# KiCad board poly_kb.kicad_pcb (continued)
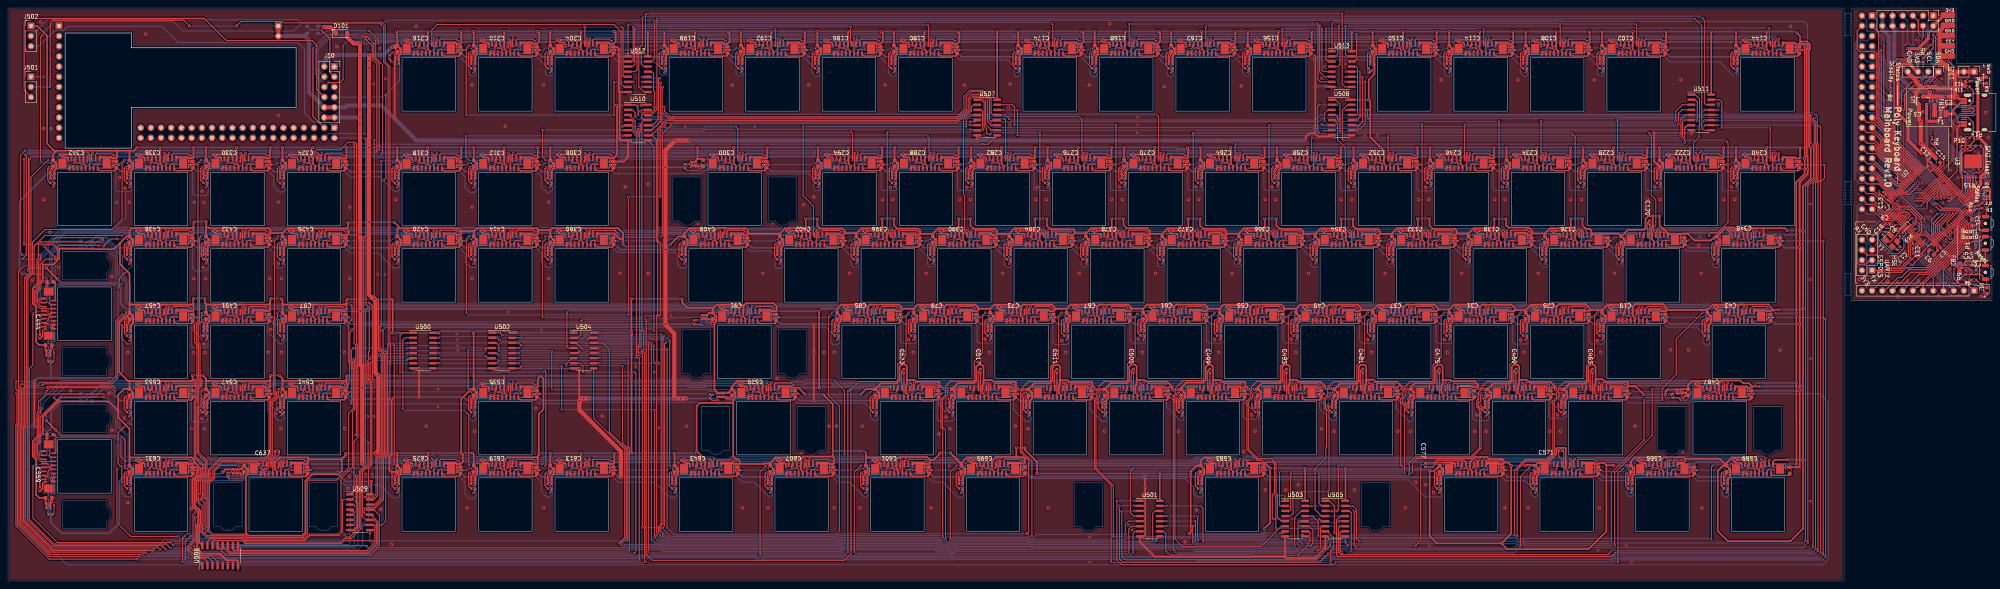
[diagram p0: board, top side]
## Routing (per net, layer and track width the routed paths; a pad name or vN(x,y) marks a point on that pad's centre or on a via; arc(x,y) is an arc through that point) (continued)
+5V: length 3014.4
  Top w0.4: v1(202.01,48.13) 201.98,48.16 v1(201.98,67.21) ; v1(447.45,133.22) 447.4,133.17 447.4,101.55 445.29,99.44 v1(445.29,86.31) 445.29,85.7 445.31,85.67 v1(445.31,66.73) v1(445.31,49.38) 445.31,40.44 445.34,40.41 v1(445.34,29.18) ; v1(5.31,105.31) 5.16,105.16 5.16,77.62 v1(5.05,77.52) ; v1(9.52,78.09) 12.3,75.31 v1(12.36,75.31) ; v1(9.52,40) v1(11.91,37.62)
  Top w1: v1(478.54,121.96) 478.56,121.95 478.56,120.8 ; D101.2 84.46,135.58 86,134.04 v1(87.64,134.04) v1(87.64,115.69) v1(87.64,86.44) 87.64,85.48 87.76,85.36 87.76,53.87 88.18,53.45 v1(88.18,29.21) ; U1.3 476.82,120.8 478.56,120.8 ; J10.11 J10.12 ; 481.64,120.8 FB1.1 478.56,120.8
  Bottom w0.4: LED_108.1 439.14,134.19 438.42,134.19 437.98,134.64 431.73,134.64 431.52,134.42 429.03,134.42 413.33,134.42 412.83,133.93 408.33,133.93 407.74,133.35 LED_101.1 ; LED_108.1 441.08,133.35 441.66,133.93 446.74,133.93 v1(447.45,133.22) ; LED_108.1 440.15,133.51 ; LED_107.1 354.43,85.89 ; LED_107.1 355.35,85.72 355.94,86.31 366.22,86.31 366.42,86.51 368.38,86.51 368.45,86.58 371.57,86.58 372.43,85.72 LED_106.1 ; LED_107.1 353.06,85.72 352.17,86.61 341.7,86.61 341.4,86.31 336.89,86.31 336.3,85.72 LED_143.1 ; LED_101.1 406.81,133.51 ; LED_101.1 405.8,134.19 405.09,134.19 404.64,134.64 398.39,134.64 398.18,134.42 394.28,134.42 393.78,133.93 389.28,133.93 388.69,133.35 LED_102.1 ; LED_102.1 387.76,133.51 ; LED_102.1 386.75,134.19 386.04,134.19 385.59,134.64 379.34,134.64 379.13,134.42 375.23,134.42 374.73,133.93 370.23,133.93 369.64,133.35 LED_103.1 ; LED_103.1 368.71,133.51 ; LED_103.1 367.7,134.19 366.99,134.19 366.54,134.64 360.29,134.64 360.08,134.42 356.18,134.42 355.68,133.93 351.18,133.93 350.59,133.35 LED_109.1 ; LED_104.1 411.58,85.89 ; LED_104.1 412.5,85.72 413.09,86.31 417.6,86.31 418.09,86.8 424.98,86.8 ; LED_104.1 410.42,85.72 409.68,86.46 398.7,86.46 398.55,86.31 394.04,86.31 393.45,85.72 LED_105.1 ; LED_106.1 373.48,85.89 ; LED_106.1 374.4,85.72 374.9,86.22 378.2,86.22 378.29,86.31 379.5,86.31 379.8,86.61 390.53,86.61 391.42,85.72 LED_105.1 ; LED_105.1 392.53,85.89 ; LED_109.1 349.66,133.51 ; LED_109.1 348.65,134.19 347.94,134.19 347.49,134.64 341.24,134.64 341.03,134.42 325.06,134.42 324.57,133.93 320.06,133.93 319.48,133.35 LED_110.1 ; LED_110.1 318.55,133.51 ; LED_110.1 317.51,133.35 316.43,134.42 306.01,134.42 305.52,133.93 301.01,133.93 300.43,133.35 LED_111.1 ; LED_111.1 299.5,133.51 ; LED_111.1 298.03,133.35 296.95,134.42 286.96,134.42 286.47,133.93 281.96,133.93 281.38,133.35 LED_112.1 ; LED_112.1 280.45,133.51 ; LED_112.1 279.08,133.35 278,134.42 267.91,134.42 267.42,133.93 262.91,133.93 262.33,133.35 LED_113.1 ; LED_113.1 261.4,133.51 ; LED_113.1 259.91,133.35 258.83,134.42 251.47,134.42 ; LED_114.1 230.44,133.51 ; LED_114.1 231.37,133.35 231.95,133.93 236.46,133.93 236.96,134.42 251.47,134.42 ; LED_114.1 228.99,133.35 227.92,134.42 217.91,134.42 217.41,133.93 212.9,133.93 212.32,133.35 LED_115.1 ; LED_115.1 211.39,133.51 ; LED_115.1 210.02,133.35 208.94,134.42 198.86,134.42 198.36,133.93 193.85,133.93 193.27,133.35 LED_116.1 ; LED_116.1 192.34,133.51 ; LED_116.1 190.84,133.35 189.62,134.57 179.95,134.57 179.31,133.93 174.8,133.93 174.22,133.35 LED_117.1 ; LED_117.1 173.29,133.51 ; LED_117.1 172.41,133.35 171.12,134.64 166.48,134.64 166.41,134.57 165.06,134.57 164.92,134.42 151.39,134.42 150.9,133.93 146.39,133.93 145.8,133.35 LED_118.1 ; LED_118.1 144.88,133.51 ; LED_118.1 143.86,134.19 143.15,134.19 142.7,134.64 136.46,134.64 136.24,134.42 133.76,134.42 133.76,134.43 132.34,134.43 131.85,133.93 127.34,133.93 126.75,133.35 LED_119.1 ; LED_120.1 106.78,133.51 ; LED_120.1 107.7,133.35 108.29,133.93 112.8,133.93 113.29,134.42 114.71,134.42 114.71,134.43 117.19,134.43 117.41,134.64 123.65,134.64 124.1,134.19 124.81,134.19 LED_119.1 ; LED_120.1 105.73,133.35 104.44,134.64 92.56,134.64 92.56,134.65 91.95,134.65 91.34,134.04 v1(87.64,134.04) 87.71,134.11 87.73,134.11 ; LED_121.1 421.1,104.94 ; LED_121.1 422.03,104.77 422.61,105.36 427.12,105.36 427.61,105.85 431.52,105.85 431.73,106.06 437.98,106.06 438.42,105.62 439.14,105.62 LED_124.1 ; LED_121.1 420.06,104.77 418.77,106.06 412.68,106.06 412.47,105.85 408.56,105.85 408.07,105.36 403.56,105.36 402.98,104.77 LED_122.1 ; LED_122.1 402.05,104.94 ; LED_122.1 401.04,105.62 400.32,105.62 399.88,106.06 393.63,106.06 393.42,105.85 389.51,105.85 389.02,105.36 384.51,105.36 383.93,104.77 LED_123.1 ; LED_123.1 383,104.94 ; LED_123.1 381.99,105.62 381.27,105.62 380.83,106.06 374.58,106.06 374.37,105.85 370.46,105.85 369.97,105.36 365.46,105.36 364.88,104.77 LED_125.1 ; LED_124.1 440.15,104.94 ; LED_124.1 441.08,104.77 441.66,105.36 447.42,105.36 v1(447.4,105.38) ; LED_125.1 363.95,104.94 ; LED_125.1 362.94,105.62 362.22,105.62 361.78,106.06 355.53,106.06 355.32,105.85 353.03,105.85 ; LED_126.1 344.9,104.94 ; LED_126.1 343.89,105.62 343.17,105.62 342.73,106.06 336.48,106.06 336.27,105.85 334.02,105.85 ; LED_126.1 345.83,104.77 346.41,105.36 350.92,105.36 351.41,105.85 353.03,105.85 ; LED_127.1 325.85,104.94 ; LED_127.1 326.78,104.77 327.36,105.36 331.87,105.36 332.36,105.85 334.02,105.85 ; LED_127.1 324.84,105.62 324.12,105.62 323.68,106.06 317.43,106.06 317.22,105.85 313.31,105.85 312.82,105.36 308.31,105.36 307.73,104.77 LED_128.1 ; LED_128.1 306.8,104.94 ; LED_128.1 305.79,105.62 305.07,105.62 304.63,106.06 298.38,106.06 298.17,105.85 294.26,105.85 293.77,105.36 289.26,105.36 288.68,104.77 LED_129.1 ; LED_129.1 287.75,104.94 ; LED_129.1 286.74,105.62 286.02,105.62 285.58,106.06 279.33,106.06 279.12,105.85 275.21,105.85 274.72,105.36 270.21,105.36 269.63,104.77 LED_130.1 ; LED_130.1 268.7,104.94 ; LED_130.1 267.69,105.62 266.97,105.62 266.53,106.06 260.28,106.06 260.07,105.85 256.16,105.85 255.67,105.36 251.16,105.36 250.58,104.77 LED_131.1 ; LED_131.1 249.65,104.94 ; LED_131.1 248.64,105.62 247.92,105.62 247.48,106.06 241.23,106.06 241.02,105.85 237.11,105.85 236.62,105.36 232.11,105.36 231.53,104.77 LED_132.1 ; LED_132.1 230.6,104.94 ; LED_132.1 229.59,105.62 228.87,105.62 228.43,106.06 222.18,106.06 221.97,105.85 218.06,105.85 217.57,105.36 213.06,105.36 212.48,104.77 LED_133.1 ; LED_133.1 211.55,104.94 ; LED_133.1 210.54,105.62 209.82,105.62 209.38,106.06 203.13,106.06 202.92,105.85 201.99,105.85 ; LED_134.1 182.98,104.94 ; LED_134.1 183.9,104.77 184.49,105.36 189,105.36 189.49,105.85 201.99,105.85 ; LED_134.1 181.96,105.62 181.25,105.62 180.8,106.06 173.13,106.06 172.92,105.85 172.08,105.85 ; LED_135.1 144.88,104.94 ; LED_135.1 143.86,105.62 143.15,105.62 142.7,106.06 136.46,106.06 136.24,105.85 133.76,105.85 133.71,105.8 132.34,105.8 131.85,105.31 127.34,105.31 126.75,104.72 LED_136.1 ; LED_135.1 145.8,104.77 146.39,105.36 150.9,105.36 151.39,105.85 172.08,105.85 ; LED_136.1 125.83,104.89 ; LED_136.1 124.81,105.57 124.1,105.57 123.65,106.01 117.41,106.01 117.19,105.8 113.29,105.8 112.8,105.31 108.29,105.31 107.7,104.72 LED_137.1 ; LED_137.1 106.78,104.89 ; LED_137.1 105.76,105.57 105.05,105.57 104.6,106.01 98.36,106.01 98.14,105.8 93.47,105.8 93.32,105.65 92.71,105.65 92.56,105.8 84.71,105.8 84.22,105.31 79.71,105.31 79.13,104.72 LED_138.1 ; LED_138.1 78.2,104.89 ; LED_138.1 77.19,105.57 76.47,105.57 76.03,106.01 69.78,106.01 69.57,105.8 65.62,105.8 65.17,105.36 60.66,105.36 60.08,104.77 LED_139.1 ; LED_139.1 59.15,104.94 ; LED_139.1 58.14,105.62 57.42,105.62 56.98,106.06 50.73,106.06 50.52,105.85 46.61,105.85 46.12,105.36 41.61,105.36 41.03,104.77 LED_140.1 ; LED_140.1 40.1,104.94 ; LED_140.1 39.09,105.62 38.37,105.62 37.93,106.06 31.68,106.06 31.47,105.85 27.56,105.85 27.07,105.36 22.56,105.36 21.98,104.77 LED_141.1 ; LED_141.1 21.05,104.94 ; LED_141.1 20.04,105.62 19.32,105.62 18.88,106.06 12.63,106.06 12.42,105.85 5.85,105.85 v1(5.31,105.31) ; LED_143.1 335.38,85.89 ; LED_143.1 333.94,85.72 333.02,86.64 324.43,86.64 324.1,86.31 317.84,86.31 317.25,85.72 LED_145.1 ; LED_144.1 144.88,85.89 ; LED_144.1 143.96,85.72 142.82,86.86 141.04,86.86 141.03,86.87 139.44,86.87 139.43,86.87 138.2,86.87 138.07,86.74 132.27,86.74 131.85,86.31 127.34,86.31 126.75,85.72 LED_153.1 ; LED_144.1 145.8,85.72 146.21,86.13 151.36,86.13 151.72,85.77 161.29,85.77 162.38,86.86 172.8,86.86 172.82,86.89 174.41,86.89 174.44,86.86 176.19,86.86 177.33,85.72 LED_152.1 ; LED_145.1 316.33,85.89 ; LED_145.1 315.28,85.72 314.39,86.61 303.68,86.61 303.4,86.33 303.32,86.33 303.3,86.31 298.79,86.31 298.2,85.72 LED_146.1 ; LED_146.1 297.28,85.89 ; LED_146.1 296.09,85.72 295.17,86.64 284.58,86.64 284.25,86.31 279.74,86.31 279.15,85.72 LED_147.1 ; LED_147.1 278.23,85.89 ; LED_147.1 277.18,85.72 276.29,86.61 265.46,86.61 265.15,86.31 260.69,86.31 260.1,85.72 LED_148.1 ; LED_148.1 259.18,85.89 ; LED_148.1 258.13,85.72 257.24,86.61 248.78,86.61 248.47,86.31 241.64,86.31 241.05,85.72 LED_149.1 ; LED_149.1 240.13,85.89 ; LED_149.1 239.08,85.72 238.17,86.64 227.43,86.64 227.1,86.31 222.59,86.31 222,85.72 LED_150.1 ; LED_150.1 221.08,85.89 ; LED_150.1 220.2,85.72 220.19,85.73 219.84,85.73 218.95,86.61 208.36,86.61 208.33,86.59 ; LED_151.1 202.03,85.89 ; LED_151.1 200.98,85.72 199.69,87.01 194.9,87.01 194.2,86.31 179.73,86.31 179.14,85.72 LED_152.1 ; LED_151.1 202.95,85.72 203.54,86.31 208.05,86.31 208.33,86.59 ; LED_152.1 178.21,85.89 ; LED_153.1 125.83,85.89 ; LED_153.1 124.95,85.72 123.77,86.89 122.05,86.89 122.05,86.9 120.46,86.9 120.46,86.89 115.14,86.89 115.05,86.8 ; LED_154.1 106.78,85.89 ; LED_154.1 107.7,85.72 108.11,86.13 111.79,86.13 111.97,86.31 112.8,86.31 113.29,86.8 115.05,86.8 ; LED_154.1 105.88,85.72 104.72,86.89 102.97,86.89 102.97,86.89 101.38,86.89 101.36,86.87 88.07,86.87 v1(87.64,86.44) 87.51,86.31 79.72,86.31 79.13,85.72 LED_155.1 ; LED_155.1 78.2,85.89 ; LED_155.1 77.31,85.72 76.19,86.84 74.47,86.84 74.43,86.87 72.75,86.87 72.75,86.87 71.52,86.87 71.51,86.86 65.73,86.86 65.17,86.31 60.66,86.31 60.08,85.72 LED_156.1 ; LED_156.1 59.15,85.89 ; LED_156.1 58.27,85.72 57.13,86.87 55.36,86.87 55.34,86.89 53.75,86.89 53.73,86.87 46.68,86.87 46.12,86.31 41.61,86.31 41.03,85.72 LED_157.1 ; LED_157.1 40.1,85.89 ; LED_157.1 39.14,85.72 38,86.87 36.29,86.87 36.27,86.88 34.68,86.88 34.67,86.87 27.83,86.87 27.13,86.16 22.28,86.16 LED_158.1 ; LED_142.1 435.39,85.89 ; LED_142.1 436.52,85.72 437.11,86.31 445.29,86.31 v1(445.29,86.31) ; LED_142.1 434.51,85.72 433.37,86.86 431.52,86.86 431.52,86.87 429.93,86.87 429.93,86.86 425.05,86.86 424.98,86.8 ; LED_1.1 406.81,66.84 ; LED_1.1 407.74,66.67 408.33,67.26 412.83,67.26 413.33,67.75 422.85,67.75 ; LED_1.1 405.9,66.67 404.73,67.84 403.03,67.84 394.37,67.84 393.78,67.26 389.28,67.26 388.69,66.67 LED_2.1 ; LED_2.1 387.76,66.84 ; LED_2.1 386.8,66.67 385.66,67.81 383.99,67.81 383.96,67.84 382.37,67.84 382.35,67.81 375.29,67.81 374.73,67.26 370.23,67.26 369.64,66.67 LED_3.1 ; LED_3.1 368.71,66.84 ; LED_3.1 367.83,66.67 366.66,67.84 364.93,67.84 364.93,67.84 363.34,67.84 363.34,67.84 360.18,67.84 360.08,67.75 356.18,67.75 355.68,67.26 351.18,67.26 350.59,66.67 LED_4.1 ; LED_4.1 349.66,66.84 ; LED_4.1 348.78,66.67 347.64,67.82 345.82,67.82 345.81,67.82 344.22,67.82 344.22,67.82 337.19,67.82 336.63,67.26 332.13,67.26 331.54,66.67 LED_6.1 ; LED_5.1 433.01,66.84 ; LED_5.1 433.93,66.67 434.52,67.26 439.65,67.26 440.18,66.73 v1(445.31,66.73) ; LED_5.1 432.05,66.67 430.88,67.84 422.94,67.84 422.85,67.75 ; LED_6.1 330.61,66.84 ; LED_6.1 329.7,66.67 328.55,67.82 326.82,67.82 326.8,67.84 325.21,67.84 325.2,67.82 319.77,67.82 319.7,67.75 ; LED_7.1 311.56,66.84 ; LED_7.1 312.49,66.67 313.08,67.26 317.58,67.26 318.08,67.75 319.7,67.75 ; LED_7.1 310.68,66.67 309.54,67.81 307.69,67.81 307.69,67.81 306.1,67.81 306.1,67.81 300.39,67.81 299.83,67.26 294.03,67.26 293.44,66.67 LED_8.1 ; LED_8.1 292.51,66.84 ; LED_8.1 291.6,66.67 290.46,67.82 288.75,67.82 288.72,67.84 287.13,67.84 287,67.71 285.23,67.71 284.79,67.27 274.99,67.27 274.39,66.67 LED_9.1 ; LED_9.1 273.46,66.84 ; LED_9.1 272.58,66.67 271.39,67.86 262.69,67.86 262.58,67.75 ; LED_10.1 254.41,66.84 ; LED_10.1 255.34,66.67 255.93,67.26 260.43,67.26 260.93,67.75 262.58,67.75 ; LED_10.1 253.53,66.67 252.37,67.84 241.96,67.84 241.38,67.26 236.88,67.26 236.29,66.67 LED_11.1 ; LED_11.1 235.36,66.84 ; LED_11.1 234.45,66.67 233.31,67.81 231.59,67.81 231.56,67.84 229.97,67.84 229.95,67.81 222.9,67.81 222.35,67.26 217.83,67.26 217.24,66.67 LED_12.1 ; LED_12.1 216.31,66.84 ; LED_12.1 215.43,66.67 214.27,67.84 212.57,67.84 212.56,67.85 210.97,67.85 210.95,67.84 202.61,67.84 v1(201.98,67.21) ; LED_13.1 185.36,66.84 ; LED_13.1 186.28,66.67 186.87,67.26 202.01,67.26 ; LED_13.1 184.48,66.67 183.34,67.81 181.58,67.81 181.56,67.84 179.97,67.84 179.94,67.81 90.16,67.81 89.6,67.26 v1(87.76,67.26) 83.39,67.26 83.21,67.08 79.73,67.08 79.33,66.67 LED_14.1 ; LED_14.1 78.2,66.84 ; LED_14.1 77.32,66.67 76.18,67.81 65.73,67.81 65.17,67.26 64.14,67.26 63.96,67.08 60.48,67.08 60.08,66.67 LED_15.1 ; LED_15.1 59.15,66.84 ; LED_15.1 58.24,66.67 57.09,67.82 55.38,67.82 55.36,67.84 53.65,67.84 53.62,67.82 46.68,67.82 46.12,67.26 41.61,67.26 41.03,66.67 LED_16.1 ; LED_16.1 40.1,66.84 ; LED_16.1 39.19,66.67 38,67.86 29.35,67.86 28.04,69.18 ; LED_17.1 397.29,47.79 ; LED_17.1 398.22,47.62 398.8,48.21 403.31,48.21 403.8,48.7 418.35,48.7 ; LED_17.1 396.41,47.62 395.26,48.77 386.17,48.77 386.14,48.74 384.51,48.74 383.97,48.21 379.75,48.21 379.17,47.62 LED_18.1 ; LED_18.1 378.24,47.79 ; LED_18.1 377.36,47.62 376.21,48.77 365.61,48.77 365.15,48.3 364.67,48.3 364.43,48.55 361.04,48.55 360.12,47.62 LED_19.1 ; LED_19.1 359.19,47.79 ; LED_19.1 358.31,47.62 357.24,48.69 357.21,48.69 357.16,48.74 355.42,48.74 355.38,48.69 346.29,48.69 345.81,48.21 341.65,48.21 341.07,47.62 LED_20.1 ; LED_20.1 340.14,47.79 ; LED_20.1 339.22,47.62 338.11,48.74 327.54,48.74 327.01,48.21 322.6,48.21 322.02,47.62 LED_22.1 ; LED_21.1 428.24,47.79 ; LED_21.1 429.17,47.62 429.76,48.21 434.29,48.21 435.46,49.38 v1(445.31,49.38) ; LED_21.1 427.36,47.62 426.2,48.79 424.48,48.79 424.47,48.8 422.88,48.8 422.87,48.79 418.43,48.79 418.35,48.7 ; LED_22.1 321.09,47.79 ; LED_22.1 320.2,47.62 319.08,48.74 308.77,48.74 308.24,48.21 303.55,48.21 302.97,47.62 LED_23.1 ; LED_23.1 302.04,47.79 ; LED_23.1 301.16,47.62 300.04,48.74 289.32,48.74 288.78,48.21 284.5,48.21 283.92,47.62 LED_24.1 ; LED_24.1 282.99,47.79 ; LED_24.1 282.08,47.62 280.96,48.74 279.22,48.74 279.2,48.71 270.5,48.71 269.99,48.21 265.45,48.21 264.87,47.62 LED_25.1 ; LED_25.1 263.94,47.79 ; LED_25.1 263.05,47.62 261.94,48.74 251.12,48.74 250.59,48.21 246.4,48.21 245.82,47.62 LED_26.1 ; LED_26.1 244.89,47.79 ; LED_26.1 243.93,47.62 242.81,48.74 232.3,48.74 231.77,48.21 227.35,48.21 226.77,47.62 LED_27.1 ; LED_27.1 225.84,47.79 ; LED_27.1 224.96,47.62 223.84,48.74 222.12,48.74 221.79,48.41 202.31,48.41 202.01,48.7 ; LED_28.1 190.12,47.79 ; LED_28.1 189.24,47.62 188.1,48.77 186.34,48.77 186.32,48.79 184.73,48.79 184.71,48.77 181.55,48.77 181.49,48.7 174,48.7 173.6,48.3 169.47,48.3 169.07,48.7 132.34,48.7 131.85,48.21 127.34,48.21 126.75,47.62 LED_29.1 ; LED_28.1 191.05,47.62 191.63,48.21 201.52,48.21 202.01,48.7 ; LED_29.1 125.83,47.79 ; LED_29.1 124.81,48.47 124.1,48.47 123.65,48.91 117.41,48.91 117.19,48.7 91.7,48.7 91.21,48.21 v1(88.19,48.21) 88.03,48.05 79.56,48.05 79.13,47.62 LED_30.1 ; LED_30.1 78.2,47.79 ; LED_30.1 77.32,47.62 76.15,48.79 65.75,48.79 65.17,48.21 64.01,48.21 63.8,48 60.46,48 60.08,47.62 LED_31.1 ; LED_31.1 59.15,47.79 ; LED_31.1 58.27,47.62 57.2,48.69 57.17,48.69 57.12,48.74 56.33,48.74 56.3,48.77 55.33,48.77 55.32,48.78 53.73,48.78 53.72,48.77 52.67,48.77 52.59,48.69 47.71,48.69 47.7,48.69 45.95,48.69 45.92,48.72 42.12,48.72 41.03,47.62 LED_32.1 ; LED_32.1 40.1,47.79 ; LED_32.1 39.21,47.62 38.07,48.76 22.98,48.76 LED_33.1 ; LED_34.1 413.96,28.74 ; LED_34.1 413.08,28.57 411.79,29.86 405.36,29.86 405.04,29.54 396.55,29.54 396.17,29.16 391.66,29.16 391.07,28.57 LED_35.1 ; LED_34.1 414.9,28.57 415.3,28.98 415.35,28.98 415.53,29.16 419.98,29.16 420.47,29.65 426.97,29.65 ; LED_35.1 390.14,28.74 ; LED_35.1 389.26,28.57 388.14,29.69 372.88,29.69 372.35,29.16 367.84,29.16 367.26,28.57 LED_36.1 ; LED_36.1 366.33,28.74 ; LED_36.1 365.42,28.57 364.24,29.75 362.58,29.75 362.57,29.75 360.99,29.75 357.8,29.75 357.7,29.65 349.23,29.65 349.21,29.67 313.33,29.67 313.13,29.47 ; LED_37.1 306.8,28.74 ; LED_37.1 307.73,28.57 308.31,29.16 312.82,29.16 313.13,29.47 ; LED_37.1 305.92,28.57 304.78,29.71 296.14,29.71 295.2,28.77 253.66,28.77 253.15,29.28 252.3,29.28 252.16,29.42 249.04,29.42 248.2,28.57 LED_39.1 ; LED_38.1 437.77,28.74 ; LED_38.1 436.89,28.57 435.72,29.74 432.24,29.74 432.08,29.59 427.03,29.59 426.97,29.65 ; LED_38.1 438.7,28.57 439.28,29.16 445.31,29.16 v1(445.34,29.18) ; LED_39.1 247.27,28.74 ; LED_39.1 246.36,28.57 245.21,29.72 238.71,29.72 238.46,29.48 229.8,29.48 229.48,29.16 224.97,29.16 224.38,28.57 LED_40.1 ; LED_40.1 223.46,28.74 ; LED_40.1 221.75,28.57 221.75,29.37 221.36,29.75 218.12,29.75 218.12,29.74 214.92,29.74 214.83,29.65 206.16,29.65 205.67,29.16 201.16,29.16 200.57,28.57 LED_41.1 ; LED_41.1 199.64,28.74 ; LED_41.1 198.73,28.57 197.54,29.76 182.46,29.76 181.85,29.16 177.34,29.16 176.76,28.57 LED_47.1 ; LED_42.1 144.88,28.74 ; LED_42.1 143.86,29.42 143.15,29.42 142.7,29.86 133.96,29.86 133.25,29.16 127.34,29.16 126.75,28.57 LED_43.1 ; LED_42.1 145.8,28.57 146.39,29.16 150.9,29.16 151.39,29.65 167.2,29.65 167.41,29.86 171.86,29.86 172,29.72 173.77,29.72 174.92,28.57 LED_47.1 ; LED_43.1 125.83,28.74 ; LED_43.1 124.91,28.57 123.72,29.76 113.4,29.76 112.8,29.16 108.29,29.16 107.7,28.57 LED_44.1 ; LED_44.1 106.78,28.74 ; LED_44.1 105.76,29.42 105.05,29.42 104.6,29.86 96.06,29.86 95.61,29.41 88.38,29.41 v1(88.18,29.21) 88.12,29.16 70.19,29.16 69.6,28.57 LED_46.1 ; LED_46.1 68.68,28.74 ; LED_46.1 67.76,28.57 66.64,29.69 63.45,29.69 63.17,29.41 57.11,29.41 56.86,29.16 44.83,29.16 44.62,28.95 41.41,28.95 41.03,28.57 LED_45.1 ; LED_45.1 40.1,28.74 ; LED_45.1 39.14,28.57 37.84,29.86 29.28,29.86 28.03,31.11 28.03,35.3 27.13,36.19 13.33,36.19 v1(11.91,37.62) ; LED_47.1 175.83,28.74 ; LED_158.1 21.04,84.92 ; LED_158.1 20,84.76 19.05,83.81 12.55,83.81 10.36,81.61 10.36,78.93 v1(9.52,78.09) 5.63,78.09 v1(5.05,77.52) ; LED_119.1 125.83,133.51 ; LED_33.1 21.05,46.83 ; LED_33.1 20.01,46.67 19.06,45.72 13.38,45.72 9.52,41.86 v1(9.52,40) ; 353.03,105.85 352.83,105.85 ; 313.13,29.47 313.31,29.65 ; v1(12.36,75.31) 13.35,74.32 27.09,74.32 28.02,73.39 28.02,69.2 ; 418.35,48.7 417.13,48.7 ; 201.99,105.85 200.43,105.85 ; 424.98,86.8 424.27,86.8 ; 426.97,29.65 426.65,29.65 ; 422.85,67.75 421.89,67.75 ; 262.58,67.75 262.34,67.75 ; 251.47,134.42 250.28,134.42 ; 172.08,105.85 171.86,105.85 ; 319.7,67.75 319.49,67.75 ; 115.05,86.8 114.71,86.8 ; 202.01,48.7 202.01,48.14 v1(202.01,48.13) ; 334.02,105.85 333.78,105.85
  Bottom w1: v1(87.64,115.69) 87.52,115.57 J10.11 ; v1(87.64,115.69) v1(87.64,117.34) ; v1(87.64,115.69) v1(87.64,114.06) ; v1(478.54,121.96) 474.66,121.96 468.35,128.27 468.35,135.89 466.72,137.52 J3.12 J3.11
GND: length 4684
  Top w0.292: C17.2 470.21,82.59 v2(469.98,82.83) 469.35,83.46 Y1.2 ; C5.2 C4.2 490.02,79.7 ; J1.7 481.13,133.48 481,133.61 ; 475.8,86.3 476.45,86.94 476.45,90.27 473.41,93.31 471.13,93.31 470.87,93.04 ; 475.8,86.3 477.61,86.3 U2.27 480.29,83.62 480.29,82.63 C7.2 480.46,82.39 v2(480.09,82.02) ; 475.8,86.3 U2.20 ; J5.7 464.19,85.73 v2(465.2,86.74) 465.2,86.8 v2(466.19,87.79) v2(467.12,88.72) 467.12,88.76 C9.2 ; 470.87,93.04 470.87,93 471.86,92 472.94,92 473.5,91.45 473.5,90.94 v2(473,90.44) 472.88,90.44 U2.10 ; 470.87,93.04 470.87,93.49 470.29,94.07 469.84,94.07 U2.99 467.64,96.27 467.64,96.36 467.61,96.38 467.61,96.65 467.29,96.97 C13.2 ; C14.2 489.99,88.63 v2(490.32,88.3) 491.17,87.45 SW2.2 ; Y1.4 468.83,86.46 v2(468.2,87.1) 468.18,87.08 C16.2 ; C11.2 474.34,82.46 v2(474.36,82.44) ; J1.5 481.08,136.02 481,136.09 ; C10.2 489.91,93.59 v2(490.83,93.59) ; 492.38,79.7 492.38,82.5 492.38,82.5 ; 492.38,79.7 490.02,79.7 ; 492.38,79.7 492.38,79.7 SW3.1 ; C12.2 477.9,104.9 477.9,103.02 478.68,102.24 479.03,102.24 479.66,102.88 U2.74 ; v2(490.83,93.59) 491.47,94.23 R7.2 ; v2(490.83,93.59) 490.72,93.7 ; R6.2 v2(488.47,75.06) ; C1.2 v2(490.09,78) 490.09,79.63 490.02,79.7 ; v2(480.09,82.02) 479.53,81.46 C6.2 ; v2(480.09,82.02) 479.45,81.38 ; 490.73,106.55 v2(490.73,106.81) 490.73,106.05 U3.9 490.73,103.25 v2(490.73,102.49) ; 481,130.91 481.03,130.94 J1.9 ; U2.20 476.05,86.55 v2(476.09,86.55) ; U2.20 474.54,85.03 ; 469.77,88.65 469.56,88.86 v2(469.52,88.86) ; U3.4 487.42,108.5 v2(487.42,109.47) R10.1
  Top w0.4: C145.2 430.3,131.54 v1(429.87,131.1) 429.69,130.93 C148.1 429.69,128.99 C147.1 ; J117.1 434.85,131.97 v1(434.91,131.97) 434.95,131.97 J117.3 ; v1(445.25,133.17) C146.2 446.83,133.95 447.8,133.95 448.18,133.57 448.18,132.87 447.93,132.62 447.93,105.93 448.13,105.74 v1(448.13,102.67) 448.13,101.53 446.16,99.56 v1(446.16,83.1) v1(446.16,64.09) v1(446.16,47.54) 446.16,28.39 C591.2 442.87,28.39 v1(442.87,28.39) ; J107.1 349.12,84.35 v1(349.18,84.35) 349.23,84.35 J107.3 ; C135.1 343.97,81.37 C136.1 343.97,83.31 v1(344.14,83.48) 344.58,83.91 C133.2 ; C134.2 359.53,85.54 v1(359.53,85.54) ; J102.1 401.51,131.97 v1(401.57,131.97) 401.62,131.97 J102.3 ; C105.1 396.36,128.99 C106.1 396.36,130.93 v1(396.53,131.1) 396.96,131.54 C103.2 ; C104.2 411.92,133.17 v1(411.92,133.17) ; J103.1 382.46,131.97 v1(382.52,131.97) 382.57,131.97 J103.3 ; C111.1 377.31,128.99 C112.1 377.31,130.93 v1(377.48,131.1) 377.91,131.54 C109.2 ; C110.2 392.87,133.17 v1(392.87,133.17) ; J104.1 363.41,131.97 v1(363.47,131.97) 363.52,131.97 J104.3 ; C117.1 358.26,128.99 C118.1 358.26,130.93 v1(358.43,131.1) 358.86,131.54 C115.2 ; C116.2 373.82,133.17 v1(373.82,133.17) ; J105.1 406.27,84.35 v1(406.33,84.35) 406.38,84.35 J105.3 ; C123.1 401.12,81.37 C124.1 401.12,83.31 v1(401.29,83.48) 401.73,83.91 C121.2 ; C122.2 416.68,85.54 v1(416.68,85.54) ; J108.1 368.17,84.35 v1(368.23,84.35) 368.28,84.35 J108.3 ; C141.1 363.02,81.37 C142.1 363.02,83.31 v1(363.19,83.48) 363.63,83.91 C139.2 ; C140.2 378.58,85.54 v1(378.58,85.54) ; J106.1 387.22,84.35 v1(387.28,84.35) 387.33,84.35 J106.3 ; C129.1 382.07,81.37 C130.1 382.07,83.31 v1(382.24,83.48) 382.68,83.91 C127.2 ; C128.2 397.63,85.54 v1(397.63,85.54) ; J118.1 344.36,131.97 v1(344.42,131.97) 344.47,131.97 J118.3 ; C153.1 339.21,128.99 C154.1 339.21,130.93 v1(339.38,131.1) 339.81,131.54 C151.2 ; C152.2 354.77,133.17 v1(354.77,133.17) ; J119.1 313.24,131.97 v1(313.31,131.97) 313.35,131.97 J119.3 ; C159.1 308.09,128.99 C160.1 308.09,130.93 v1(308.26,131.1) 308.7,131.54 C157.2 ; C158.2 323.65,133.17 v1(323.65,133.17) ; J120.1 294.19,131.97 v1(294.26,131.97) 294.3,131.97 J120.3 ; C165.1 289.04,128.99 C166.1 289.04,130.93 v1(289.21,131.1) 289.65,131.54 C163.2 ; C164.2 304.6,133.17 v1(304.6,133.17) ; J121.1 275.14,131.97 v1(275.21,131.97) 275.25,131.97 J121.3 ; C171.1 269.99,128.99 C172.1 269.99,130.93 v1(270.16,131.1) 270.6,131.54 C169.2 ; C170.2 285.55,133.17 v1(285.55,133.17) ; J122.1 256.09,131.97 v1(256.16,131.97) 256.2,131.97 J122.3 ; C177.1 250.94,128.99 C178.1 250.94,130.93 v1(251.11,131.1) 251.55,131.54 C175.2 ; C176.2 266.5,133.17 v1(266.5,133.17) ; J123.1 225.14,131.97 v1(225.2,131.97) 225.24,131.97 J123.3 ; C183.1 219.99,128.99 C184.1 219.99,130.93 v1(220.16,131.1) 220.59,131.54 C181.2 ; C182.2 235.55,133.17 v1(235.54,133.17) ; J124.1 206.09,131.97 v1(206.15,131.97) 206.19,131.97 J124.3 ; C189.1 200.94,128.99 C190.1 200.94,130.93 v1(201.11,131.1) 201.54,131.54 C187.2 ; C188.2 216.5,133.17 v1(216.49,133.17) ; J125.1 187.04,131.97 v1(187.1,131.97) 187.14,131.97 J125.3 ; C195.1 181.89,128.99 C196.1 181.89,130.93 v1(182.06,131.1) 182.49,131.54 C193.2 ; C194.2 197.45,133.17 v1(197.44,133.17) ; J126.1 167.99,131.97 v1(168.05,131.97) 168.09,131.97 J126.3 ; C201.1 162.84,128.99 C202.1 162.84,130.93 v1(163.01,131.1) 163.44,131.54 C199.2 ; C200.2 178.4,133.17 v1(178.39,133.17) ; J127.1 139.57,131.97 v1(139.63,131.97) 139.68,131.97 J127.3 ; C207.1 134.42,128.99 C208.1 134.42,130.93 v1(134.59,131.1) 135.03,131.54 C205.2 ; v1(149.98,133.17) 149.98,133.17 C206.2 151.66,133.17 152.12,132.7 152.12,122.02 152.29,121.85 152.29,118.27 152.27,118.25 152.27,110.36 152.77,109.86 U510.8 154.37,105.68 153.28,104.59 C308.2 149.98,104.59 v1(149.98,104.59) ; J129.1 101.47,131.97 v1(101.53,131.97) 101.58,131.97 J129.3 ; C218.2 111.88,133.17 v1(111.88,133.17) ; C217.2 96.93,131.54 v1(96.49,131.1) 96.32,130.93 C220.1 96.32,128.99 C219.1 96.29,115.27 v1(96.32,115.24) ; J130.1 415.8,103.4 v1(415.86,103.4) 415.9,103.4 J130.3 ; C225.1 410.64,100.42 C226.1 410.64,102.36 v1(410.82,102.53) 411.25,102.96 C223.2 411.1,103.42 409.85,104.67 v1(409.85,111.73) ; C224.2 v1(426.2,104.59) ; J131.1 396.75,103.4 v1(396.81,103.4) 396.85,103.4 J131.3 ; C231.1 391.59,100.42 C232.1 391.59,102.36 v1(391.77,102.53) 392.2,102.96 C229.2 ; C230.2 v1(407.15,104.59) ; J132.1 377.7,103.4 v1(377.76,103.4) 377.8,103.4 J132.3 ; C237.1 372.54,100.42 C238.1 372.54,102.36 v1(372.72,102.53) 373.15,102.96 C235.2 ; C236.2 v1(388.1,104.59) ; J133.1 434.85,103.4 v1(434.91,103.4) 434.95,103.4 J133.3 ; C243.1 429.69,100.42 C244.1 429.69,102.36 v1(429.87,102.53) 430.3,102.96 C241.2 ; C242.2 v1(445.25,104.59) ; J134.1 358.65,103.4 v1(358.71,103.4) 358.75,103.4 J134.3 ; C249.1 353.49,100.42 C250.1 353.49,102.36 v1(353.67,102.53) 354.1,102.96 C247.2 ; C248.2 v1(369.05,104.59) ; J135.1 339.6,103.4 v1(339.66,103.4) 339.7,103.4 J135.3 ; C255.1 334.44,100.42 C256.1 334.44,102.36 v1(334.62,102.53) 335.05,102.96 C253.2 ; C254.2 v1(350,104.59) ; J136.1 320.55,103.4 v1(320.61,103.4) 320.65,103.4 J136.3 ; C261.1 315.39,100.42 C262.1 315.39,102.36 v1(315.57,102.53) 316,102.96 C259.2 ; C260.2 v1(330.95,104.59) ; J137.1 301.5,103.4 v1(301.56,103.4) 301.6,103.4 J137.3 ; C267.1 296.34,100.42 C268.1 296.34,102.36 v1(296.52,102.53) 296.95,102.96 C265.2 ; C266.2 v1(311.9,104.59) ; J138.1 282.45,103.4 v1(282.51,103.4) 282.55,103.4 J138.3 ; C273.1 277.29,100.42 C274.1 277.29,102.36 v1(277.47,102.53) 277.9,102.96 C271.2 ; C272.2 v1(292.85,104.59) ; J139.1 263.4,103.4 v1(263.46,103.4) 263.5,103.4 J139.3 ; C279.1 258.24,100.42 C280.1 258.24,102.36 v1(258.42,102.53) 258.85,102.96 C277.2 ; C278.2 v1(273.8,104.59) ; J140.1 244.35,103.4 v1(244.41,103.4) 244.45,103.4 J140.3 ; C285.1 239.19,100.42 C286.1 239.19,102.36 v1(239.37,102.53) 239.8,102.96 C283.2 ; C284.2 v1(254.75,104.59) ; J141.1 225.3,103.4 v1(225.36,103.4) 225.4,103.4 J141.3 ; C291.1 220.14,100.42 C292.1 220.14,102.36 v1(220.32,102.53) 220.75,102.96 C289.2 ; C290.2 v1(235.7,104.59) ; J142.1 206.25,103.4 v1(206.31,103.4) 206.35,103.4 J142.3 ; C297.1 201.09,100.42 C298.1 201.09,102.36 v1(201.27,102.53) 201.7,102.96 C295.2 ; C296.2 v1(216.65,104.59) ; J143.1 177.67,103.4 v1(177.73,103.4) 177.78,103.4 J143.3 ; C302.2 188.08,104.59 v1(188.08,104.59) ; J144.1 139.57,103.4 v1(139.63,103.4) 139.68,103.4 J144.3 ; C309.1 134.42,100.42 C310.1 134.42,102.36 v1(134.59,102.53) 135.03,102.96 C307.2 ; J145.1 120.52,103.35 v1(120.58,103.35) 120.63,103.35 J145.3 ; C315.1 115.37,100.37 C316.1 115.37,102.31 v1(115.54,102.48) 115.98,102.91 C313.2 ; C314.2 130.93,104.54 v1(130.93,104.54) ; J146.1 101.47,103.35 v1(101.53,103.35) 101.58,103.35 J146.3 ; C321.1 96.32,100.37 C322.1 96.32,102.31 v1(96.49,102.48) 96.93,102.91 C319.2 ; C320.2 111.88,104.54 v1(111.88,104.54) ; J147.1 72.9,103.35 v1(72.96,103.35) 73,103.35 J147.3 ; C327.1 67.74,100.37 C328.1 67.74,102.31 v1(67.92,102.48) 68.35,102.91 C325.2 ; C326.2 83.3,104.54 v1(83.3,104.54) ; J148.1 53.85,103.4 v1(53.91,103.4) 53.95,103.4 J148.3 ; C333.1 48.69,100.42 C334.1 48.69,102.36 v1(48.87,102.53) 49.3,102.96 C331.2 ; C332.2 v1(64.25,104.59) ; J149.1 34.8,103.4 v1(34.86,103.4) 34.9,103.4 J149.3 ; C339.1 29.64,100.42 C340.1 29.64,102.36 v1(29.82,102.53) 30.25,102.96 C337.2 ; C338.2 v1(45.2,104.59) ; J150.1 15.75,103.4 v1(15.81,103.4) 15.85,103.4 J150.3 ; C345.1 10.59,100.42 C346.1 10.59,102.36 v1(10.77,102.53) 11.2,102.96 C343.2 ; C344.2 v1(26.15,104.59) ; J109.1 330.07,84.35 v1(330.13,84.35) 330.18,84.35 J109.3 ; C357.1 324.92,81.37 C358.1 324.92,83.31 v1(325.09,83.48) 325.53,83.91 C355.2 ; C356.2 340.48,85.54 v1(340.48,85.54) ; J110.1 139.57,84.35 v1(139.63,84.35) 139.68,84.35 J110.3 ; C363.1 134.42,81.37 C364.1 134.42,83.31 v1(134.59,83.48) 135.03,83.91 C361.2 ; J111.1 311.02,84.35 v1(311.08,84.35) 311.13,84.35 J111.3 ; C369.1 305.87,81.37 C370.1 305.87,83.31 v1(306.04,83.48) 306.48,83.91 C367.2 ; C368.2 321.43,85.54 v1(321.43,85.54) ; J112.1 291.97,84.35 v1(292.03,84.35) 292.08,84.35 J112.3 ; C375.1 286.82,81.37 C376.1 286.82,83.31 v1(286.99,83.48) 287.43,83.91 C373.2 ; C374.2 302.38,85.54 v1(302.38,85.54) ; J113.1 272.92,84.35 v1(272.98,84.35) 273.03,84.35 J113.3 ; C381.1 267.77,81.37 C382.1 267.77,83.31 v1(267.94,83.48) 268.38,83.91 C379.2 ; C380.2 283.33,85.54 v1(283.33,85.54) ; J114.1 253.87,84.35 v1(253.93,84.35) 253.98,84.35 J114.3 ; C387.1 248.72,81.37 C388.1 248.72,83.31 v1(248.89,83.48) 249.33,83.91 C385.2 ; C386.2 264.28,85.54 v1(264.28,85.54) ; J115.1 234.82,84.35 v1(234.88,84.35) 234.93,84.35 J115.3 ; C393.1 229.67,81.37 C394.1 229.67,83.31 v1(229.84,83.48) 230.28,83.91 C391.2 ; C392.2 245.23,85.54 v1(245.23,85.54) ; J116.1 215.77,84.35 v1(215.83,84.35) 215.88,84.35 J116.3 ; C399.1 210.62,81.37 C400.1 210.62,83.31 v1(210.79,83.48) 211.23,83.91 C397.2 ; C398.2 226.18,85.54 v1(226.18,85.54) ; J151.1 196.72,84.35 v1(196.78,84.35) 196.83,84.35 J151.3 ; C405.1 191.57,81.37 C406.1 191.57,83.31 v1(191.74,83.48) 192.18,83.91 C403.2 ; C404.2 207.13,85.54 v1(207.13,85.54) ; J152.1 172.91,84.35 v1(172.97,84.35) 173.02,84.35 J152.3 ; C411.1 167.76,81.37 C412.1 167.76,83.31 v1(167.93,83.48) 168.36,83.91 C409.2 ; C410.2 183.32,85.54 v1(183.32,85.54) ; J153.1 120.52,84.35 v1(120.58,84.35) 120.63,84.35 J153.3 ; C417.1 115.37,81.37 C418.1 115.37,83.31 v1(115.54,83.48) 115.98,83.91 C415.2 ; C416.2 130.93,85.54 v1(130.93,85.54) ; J154.1 101.47,84.35 v1(101.53,84.35) 101.58,84.35 J154.3 ; C423.1 96.32,81.37 C424.1 96.32,83.31 v1(96.49,83.48) 96.93,83.91 C421.2 ; J155.1 72.9,84.35 v1(72.96,84.35) 73,84.35 J155.3 ; C429.1 67.74,81.37 C430.1 67.74,83.31 v1(67.92,83.48) 68.35,83.91 C427.2 ; C428.2 v1(83.3,85.54) ; J156.1 53.85,84.35 v1(53.91,84.35) 53.95,84.35 J156.3 ; C435.1 48.69,81.37 C436.1 48.69,83.27 v1(48.88,83.46) 49.3,83.88 C433.2 ; C434.2 v1(64.25,85.54) ; J157.1 34.8,84.35 v1(34.86,84.35) 34.9,84.35 J157.3 ; C441.1 29.64,81.37 C442.1 29.64,83.31 v1(29.82,83.48) 30.25,83.91 C439.2 ; C440.2 v1(45.2,85.54) ; J101.1 430.08,84.35 v1(430.15,84.35) 430.19,84.35 J101.3 ; C351.1 424.93,81.37 C352.1 424.93,83.31 v1(425.1,83.48) 425.54,83.91 C349.2 ; C350.2 440.49,85.54 v1(440.49,85.54) ; J13.1 401.51,65.3 v1(401.57,65.3) 401.62,65.3 J13.3 ; C22.1 396.36,62.32 C23.1 396.36,64.26 v1(396.53,64.43) 396.96,64.86 C20.2 ; C21.2 411.92,66.49 v1(411.92,66.49) ; J14.1 382.46,65.3 v1(382.52,65.3) 382.57,65.3 J14.3 ; C28.1 377.31,62.32 C29.1 377.31,64.26 v1(377.48,64.43) 377.91,64.86 C26.2 ; C27.2 392.87,66.49 v1(392.87,66.49) ; J15.1 363.41,65.3 v1(363.47,65.3) 363.52,65.3 J15.3 ; C34.1 358.26,62.32 C35.1 358.26,64.26 v1(358.43,64.43) 358.86,64.86 C32.2 ; C33.2 373.82,66.49 v1(373.82,66.49) ; J16.1 344.36,65.3 v1(344.42,65.3) 344.47,65.3 J16.3 ; C40.1 339.21,62.32 C41.1 339.21,64.26 v1(339.38,64.43) 339.81,64.86 C38.2 ; C39.2 354.77,66.49 v1(354.77,66.49) ; J17.1 427.7,65.3 v1(427.77,65.3) 427.81,65.3 J17.3 ; C46.1 422.55,62.32 C47.1 422.55,64.26 v1(422.72,64.43) 423.16,64.86 C44.2 ; C45.2 v1(438.11,66.49) ; J18.1 325.31,65.3 v1(325.37,65.3) 325.42,65.3 J18.3 ; C52.1 320.16,62.32 C53.1 320.16,64.26 v1(320.33,64.43) 320.76,64.86 C50.2 ; C51.2 335.72,66.49 v1(335.72,66.49) ; J19.1 306.26,65.3 v1(306.32,65.3) 306.37,65.3 J19.3 ; C58.1 301.11,62.32 C59.1 301.11,64.26 v1(301.28,64.43) 301.71,64.86 C56.2 ; C57.2 316.67,66.49 v1(316.67,66.49) ; C64.1 282.06,62.32 C65.1 282.06,64.26 v1(282.23,64.43) 282.66,64.86 C62.2 ; C63.2 297.62,66.49 v1(297.62,66.49) ; J21.1 268.16,65.3 v1(268.22,65.3) 268.27,65.3 J21.3 ; C70.1 263.01,62.32 C71.1 263.01,64.26 v1(263.18,64.43) 263.61,64.86 C68.2 ; C69.2 278.57,66.49 v1(278.57,66.49) ; J22.1 249.11,65.3 v1(249.17,65.3) 249.22,65.3 J22.3 ; C76.1 243.96,62.32 C77.1 243.96,64.26 v1(244.13,64.43) 244.56,64.86 C74.2 ; C75.2 259.52,66.49 v1(259.52,66.49) ; J23.1 230.06,65.3 v1(230.12,65.3) 230.17,65.3 J23.3 ; C82.1 224.91,62.32 C83.1 224.91,64.26 v1(225.08,64.43) 225.51,64.86 C80.2 ; C81.2 240.47,66.49 v1(240.47,66.49) ; J24.1 211.01,65.3 v1(211.07,65.3) 211.12,65.3 J24.3 ; C88.1 205.86,62.32 C89.1 205.86,64.26 v1(206.03,64.43) 206.46,64.86 C86.2 ; C87.2 221.42,66.49 v1(221.42,66.49) ; J25.1 180.05,65.3 v1(180.12,65.3) 180.16,65.3 J25.3 ; C93.2 v1(190.46,66.49) ; J26.1 72.9,65.3 v1(72.96,65.3) 73,65.3 J26.3 ; C100.1 67.74,62.32 C449.1 67.74,64.14 v1(67.97,64.37) 68.35,64.75 C98.2 ; C454.1 48.69,62.32 C455.1 48.69,64.3 v1(48.85,64.45) 49.3,64.91 C452.2 ; J28.1 34.8,65.3 v1(34.86,65.3) 34.9,65.3 J28.3 ; C460.1 29.64,62.32 C461.1 29.64,64.16 v1(29.77,64.29) 30.25,64.77 C458.2 ; C459.2 v1(45.2,66.49) ; J29.1 391.98,46.25 v1(392.05,46.25) 392.09,46.25 J29.3 ; C466.1 386.83,43.27 C467.1 386.83,45.1 v1(386.73,45.2) 387.44,45.9 C464.2 ; C465.2 v1(402.39,47.44) ; J30.1 372.93,46.25 v1(373,46.25) 373.04,46.25 J30.3 ; C472.1 367.78,43.27 C473.1 367.78,45.17 v1(367.65,45.31) 368.39,46.05 C470.2 ; C471.2 v1(383.34,47.44) ; J31.1 353.88,46.25 v1(353.95,46.25) 353.99,46.25 J31.3 ; C478.1 348.73,43.27 C479.1 348.73,45.28 v1(348.84,45.39) 349.34,45.89 C476.2 ; J32.1 334.83,46.25 v1(334.9,46.25) 334.94,46.25 J32.3 ; C484.1 329.68,43.27 C485.1 329.68,45.22 v1(329.74,45.28) 330.29,45.83 C482.2 ; C483.2 v1(345.24,47.44) ; J33.1 422.94,46.25 v1(423,46.25) 423.05,46.25 J33.3 ; C489.2 v1(433.35,47.44) ; J34.1 315.78,46.25 v1(315.85,46.25) 315.89,46.25 J34.3 ; C496.1 310.63,43.27 C497.1 310.63,45.38 v1(310.64,45.38) 311.24,45.98 C494.2 ; C495.2 v1(326.19,47.44) ; J35.1 296.73,46.25 v1(296.8,46.25) 296.84,46.25 J35.3 ; C502.1 291.58,43.27 C503.1 291.58,45.05 v1(291.66,45.13) 292.19,45.66 C500.2 ; C501.2 v1(307.14,47.44) ; J36.1 277.68,46.25 v1(277.75,46.25) 277.79,46.25 J36.3 ; C508.1 272.53,43.27 C509.1 272.53,44.94 v1(272.42,45.05) 273.14,45.78 C506.2 ; C507.2 v1(288.09,47.44) ; J37.1 258.63,46.25 v1(258.7,46.25) 258.74,46.25 J37.3 ; C514.1 253.48,43.27 C515.1 253.48,45.02 v1(253.75,45.29) 254.09,45.63 C512.2 ; C513.2 v1(269.04,47.44) ; J38.1 239.58,46.25 v1(239.65,46.25) 239.69,46.25 J38.3 ; C520.1 234.43,43.27 C521.1 234.43,45.38 v1(234.5,45.45) 235.04,45.98 C518.2 ; C519.2 v1(249.99,47.44) ; J39.1 220.53,46.25 v1(220.6,46.25) 220.64,46.25 J39.3 ; C526.1 215.38,43.27 C527.1 215.38,45.21 v1(215.55,45.38) 215.99,45.81 C524.2 ; C525.2 v1(230.94,47.44) ; J40.1 184.82,46.25 v1(184.88,46.25) 184.92,46.25 J40.3 ; C531.2 195.22,47.44 v1(195.22,47.44) ; J41.1 120.52,46.25 v1(120.58,46.25) 120.63,46.25 J41.3 ; C538.1 115.37,43.27 C539.1 115.37,45.21 v1(115.54,45.38) 115.98,45.81 C536.2 ; C537.2 130.93,47.44 v1(130.93,47.44) ; J42.1 72.9,46.25 v1(72.96,46.25) 73,46.25 J42.3 ; C544.1 67.74,43.27 C545.1 67.74,45.34 v1(67.83,45.43) 68.35,45.95 C542.2 ; C550.1 48.69,43.27 C551.1 48.69,45.34 v1(48.77,45.42) 49.3,45.95 C548.2 ; J44.1 34.8,46.25 v1(34.86,46.25) 34.9,46.25 J44.3 ; C556.1 29.64,43.27 C557.1 29.64,45.21 v1(29.82,45.38) 30.25,45.81 C554.2 ; J46.1 408.65,27.2 v1(408.72,27.2) 408.76,27.2 J46.3 ; C568.1 403.5,24.22 C569.1 403.5,26.16 v1(403.67,26.33) 404.11,26.76 C566.2 ; C567.2 v1(419.06,28.39) ; J47.1 384.84,27.2 v1(384.9,27.2) 384.95,27.2 J47.3 ; C574.1 379.69,24.22 C575.1 379.69,26.1 v1(379.89,26.3) 380.3,26.7 C572.2 ; C573.2 v1(395.25,28.39) ; J48.1 361.03,27.2 v1(361.09,27.2) 361.13,27.2 J48.3 ; C580.1 355.88,24.22 C581.1 355.88,26.13 v1(356.06,26.31) 356.48,26.73 C578.2 ; C579.2 371.44,28.39 v1(371.43,28.39) ; C586.1 296.34,24.22 C587.1 296.34,26.16 v1(296.52,26.33) 296.95,26.76 C584.2 ; C585.2 v1(311.9,28.39) ; C592.1 427.31,24.22 C593.1 427.31,26.16 v1(427.48,26.33) 427.92,26.76 C590.2 ; J51.1 241.97,27.2 v1(242.03,27.2) 242.07,27.2 J51.3 ; C598.1 236.81,24.22 C599.1 236.81,26.16 v1(236.98,26.33) 237.42,26.76 C596.2 ; J52.1 218.15,27.2 v1(218.22,27.2) 218.26,27.2 J52.3 ; C604.1 213,24.22 C605.1 213,26.16 v1(213.17,26.33) 213.61,26.76 C602.2 ; C610.1 189.19,24.22 C611.1 189.19,26.16 v1(189.36,26.33) 189.8,26.76 C608.2 ; C609.2 v1(204.75,28.39) ; J54.1 139.57,27.2 v1(139.63,27.2) 139.68,27.2 J54.3 ; C616.1 134.42,24.22 C617.1 134.42,26.16 v1(134.59,26.33) 135.03,26.76 C614.2 ; C615.2 149.98,28.39 v1(149.98,28.39) ; J55.1 120.52,27.2 v1(120.58,27.2) 120.63,27.2 J55.3 ; C622.1 115.37,24.22 C623.1 115.37,26.16 v1(115.54,26.33) 115.98,26.76 C620.2 ; J56.1 101.47,27.2 v1(101.53,27.2) 101.58,27.2 J56.3 ; C628.1 96.32,24.22 C629.1 96.32,26.16 v1(96.49,26.33) 96.93,26.76 C626.2 95.39,27.22 94.96,27.65 94.96,30.9 95.51,31.45 v1(95.51,45.38) ; C627.2 111.88,28.39 v1(111.88,28.39) ; J58.1 63.37,27.2 v1(63.43,27.2) 63.48,27.2 J58.3 ; C639.2 73.78,28.39 v1(73.78,28.39) ; C634.1 29.64,24.22 C635.1 29.64,26.16 v1(29.82,26.33) 30.25,26.76 C632.2 ; v1(45.2,28.39) C633.2 46.93,28.39 47.38,27.94 47.38,27.45 47,27.07 47,26.42 45.96,25.37 45.96,18.66 47.36,17.25 47.36,14.33 47.06,14.03 v2(47.06,8.33) 47.06,8.06 48.33,6.79 52.78,6.79 54.41,5.17 56.94,5.17 57.27,4.84 U506.8 ; J59.1 170.53,27.2 v1(170.59,27.2) 170.63,27.2 J59.3 ; C646.1 165.38,24.22 C647.1 165.38,26.16 v1(165.55,26.33) 165.98,26.76 C644.2 ; C645.2 180.94,28.39 v1(180.93,28.39) ; C448.1 10.47,57.34 C447.1 10.77,57.63 v1(10.77,57.94) 10.87,58.04 C445.2 ; C446.2 9.7,73.77 v1(9.66,73.72) ; J158.3 10.81,63.37 v1(10.77,63.37) 10.89,63.37 J158.1 ; C211.2 115.98,131.54 v1(115.54,131.1) 115.37,130.93 C214.1 115.37,128.99 C213.1 ; C212.2 v1(130.93,133.17) ; J128.3 120.63,131.97 v1(120.58,131.97) 120.52,131.97 J128.1 ; v1(9.67,35.64) 9.71,35.68 C561.2 ; J43.1 53.83,46.23 v1(53.93,46.23) 53.97,46.23 J43.3 ; J53.1 194.32,27.17 v1(194.38,27.17) 194.47,27.17 J53.3 ; v1(64.26,47.43) 64.27,47.44 C549.2 ; 419.17,112.4 419.2,112.37 v1(419.2,111.63) ; C530.2 180.27,45.93 v1(179.83,45.5) ; J45.3 10.81,25.28 v1(10.77,25.28) 10.89,25.28 J45.1 ; v1(111.91,85.41) 112.05,85.54 C422.2 ; v1(102.28,53) 102.25,53.02 101.92,53.02 ; C641.1 56.06,26.84 C640.1 57.88,26.84 v1(58.31,26.41) 58.83,26.92 C638.2 ; J57.3 34.91,27.18 v1(34.85,27.18) 34.79,27.18 J57.1 ; v1(102.33,45.86) 102.33,52.62 101.92,53.02 ; C95.1 172.76,65.32 C92.2 175.51,64.98 v1(175.07,64.54) ; C453.2 64.36,66.49 v1(64.29,66.43) ; C362.2 150.13,85.54 v1(149.98,85.4) ; 101.92,53.02 U500.8 ; C555.2 45.6,47.84 v1(45.6,47.99) ; C621.2 131.02,28.39 v1(130.92,28.3) ; J49.1 301.43,27.13 v1(301.61,27.13) 301.67,27.13 J49.3 ; U502.8 120.58,53 v1(121.96,53) ; v1(83.34,47.32) 83.46,47.44 C543.2 ; 152.27,121.82 152.38,121.93 U512.8 ; J20.1 287.21,65.29 v1(287.28,65.29) 287.32,65.29 J20.3 ; J50.1 432.46,27.19 v1(432.53,27.19) 432.58,27.19 J50.3 ; 179.83,45.38 v1(179.83,45.5) ; v1(179.83,45.5) 178.83,45.5 178.49,45.85 C532.1 176.78,45.85 C533.1 ; C304.1 170.12,103.58 C303.1 171.4,103.42 C301.2 172.56,103.42 v1(172.26,103.12) ; v1(83.37,66.36) 83.5,66.49 C99.2 ; C603.2 228.56,28.39 v1(228.56,28.39) ; v2(241.33,109.86) 241.37,109.89 241.37,111.13 ; C477.2 365.01,47.44 v1(364.6,47.04) ; v1(325.38,130.72) 325.55,130.54 v1(325.55,123.34) 325.55,111.66 ; 6.56,49.94 v1(6.56,49.79) v1(6.56,38.46) ; 325.55,111.66 324.13,111.66 323.09,110.62 v2(323.09,109.86) ; 325.55,111.66 326.37,110.83 329.33,110.83 U508.8 ; v1(283.08,26.09) 283.15,26.02 v1(283.15,23.31) 283.15,11.44 282.82,11.11 U501.8 281.85,9.72 v1(284.59,6.97) 285.52,6.05 318.01,6.05 ; 318.01,6.05 318.01,11.08 U503.8 ; 318.01,6.05 318.32,5.73 325.47,5.73 328.04,8.31 U505.8 ; v1(142.29,44.99) 142.23,45.05 v1(142.23,53) 140.9,53 U504.8 ; U509.8 86.13,12.7 87,13.57 87,19.35 v2(86.69,19.66) 86.81,19.78 v1(86.81,26.07) ; v1(252.7,27.96) 253.13,28.39 C597.2 ; J27.1 53.83,65.27 v1(53.99,65.27) 53.99,65.26 J27.3 ; v1(200.66,64.03) v1(200.66,57.02) 200.66,45 v1(200.67,44.99) ; C560.2 10.88,19.95 v1(10.77,19.85) 10.77,19.54 C562.1 10.48,19.25 C563.1 ; U513.8 329.49,123.34 v1(328.24,123.34) ; v1(417.19,45.75) 417.72,46.27 C488.2 417.78,46.89 416.95,46.89 C490.1 415.67,46.77 C491.1